# Altium PCB DRS4-PCB.PcbDoc (part 2 of 15) (continued)
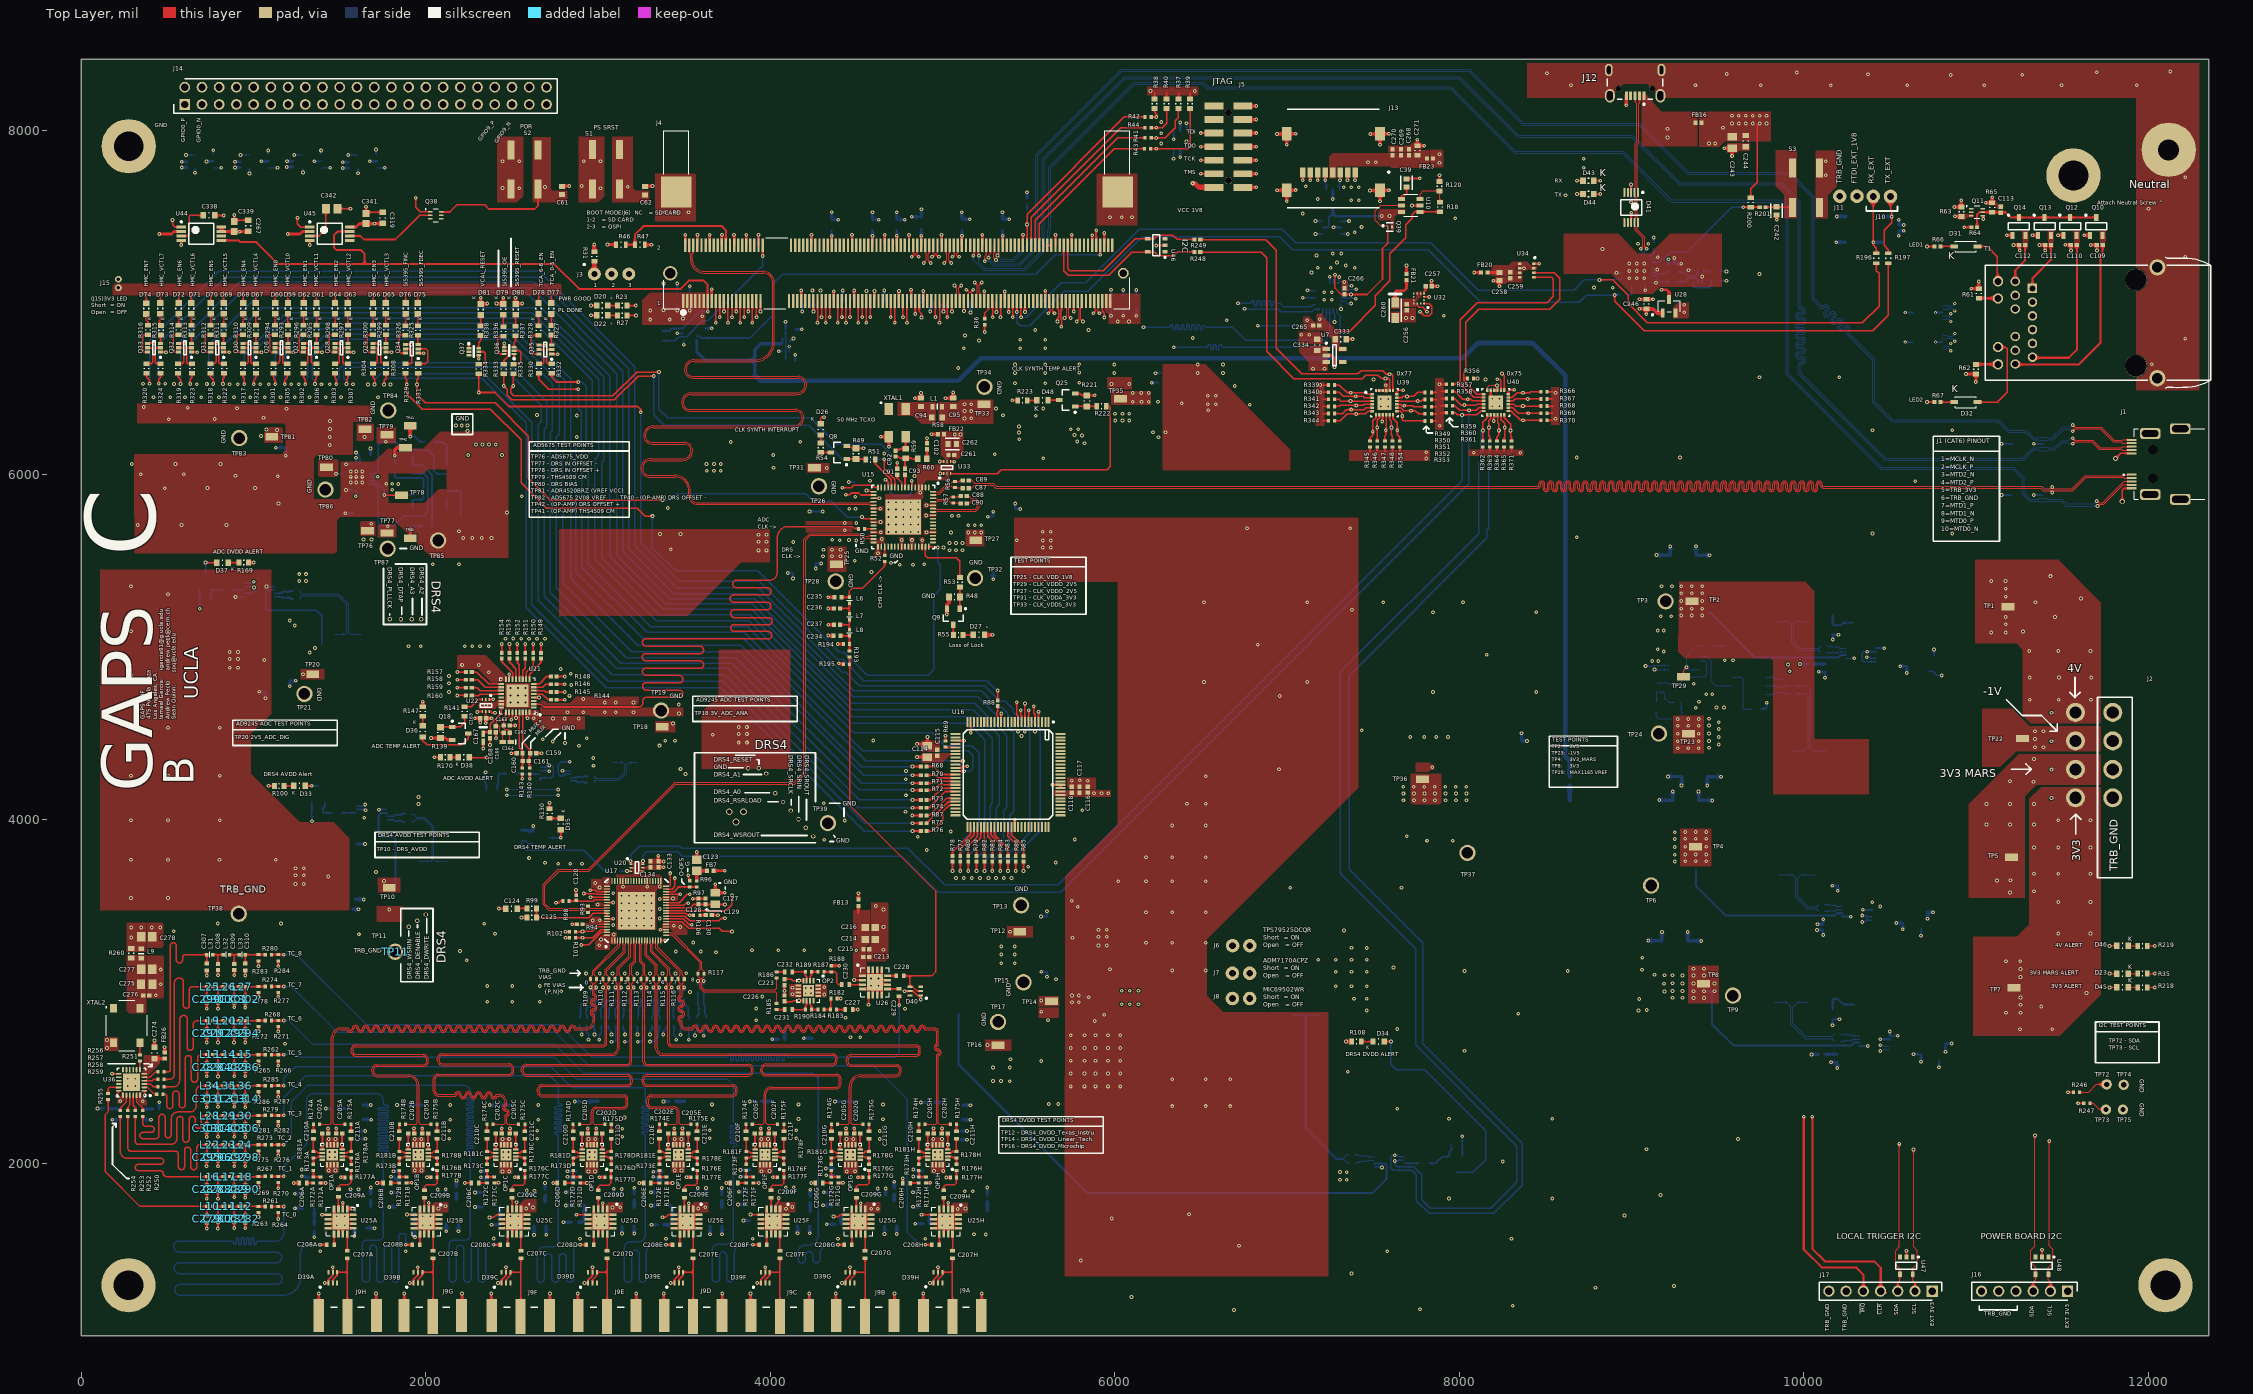
[diagram p0: Top Layer view]
## Components (designator, comment, footprint, x,y, rotation, side; value= is the part's Value field where it differs from the comment) (continued)
C203A "Cap_Murata_ GRM21BC71E106ME11L_10uF" "Cap_Murata_ GRM21BC71E106ME11L_10uF" 1601.42,2340.28 r180 bottom (schematic designator C203)
C203B "Cap_Murata_ GRM21BC71E106ME11L_10uF" "Cap_Murata_ GRM21BC71E106ME11L_10uF" 2062.99,2340.28 r180 bottom (schematic designator C203)
C203C "Cap_Murata_ GRM21BC71E106ME11L_10uF" "Cap_Murata_ GRM21BC71E106ME11L_10uF" 2572.01,2340.28 r180 bottom (schematic designator C203)
C203D "Cap_Murata_ GRM21BC71E106ME11L_10uF" "Cap_Murata_ GRM21BC71E106ME11L_10uF" 3077.27,2268.27 r180 bottom (schematic designator C203)
C203E "Cap_Murata_ GRM21BC71E106ME11L_10uF" "Cap_Murata_ GRM21BC71E106ME11L_10uF" 3587.28,2259.72 r180 bottom (schematic designator C203)
C203F "Cap_Murata_ GRM21BC71E106ME11L_10uF" "Cap_Murata_ GRM21BC71E106ME11L_10uF" 4086.81,2259.72 r180 bottom (schematic designator C203)
C203G "Cap_Murata_ GRM21BC71E106ME11L_10uF" "Cap_Murata_ GRM21BC71E106ME11L_10uF" 4580.43,2343.15 r180 bottom (schematic designator C203)
C203H "Cap_Murata_ GRM21BC71E106ME11L_10uF" "Cap_Murata_ GRM21BC71E106ME11L_10uF" 5083.15,2255.24 r180 bottom (schematic designator C203)
C204A "Cap_Murata_ GRM21BC71E106ME11L_10uF" "Cap_Murata_ GRM21BC71E106ME11L_10uF" 1319.03,1826.02 r0 bottom (schematic designator C204)
C204B "Cap_Murata_ GRM21BC71E106ME11L_10uF" "Cap_Murata_ GRM21BC71E106ME11L_10uF" 1868.9,1833.46 r0 bottom (schematic designator C204)
C204C "Cap_Murata_ GRM21BC71E106ME11L_10uF" "Cap_Murata_ GRM21BC71E106ME11L_10uF" 2360.67,1833.46 r0 bottom (schematic designator C204)
C204D "Cap_Murata_ GRM21BC71E106ME11L_10uF" "Cap_Murata_ GRM21BC71E106ME11L_10uF" 2884.76,1834.96 r0 bottom (schematic designator C204)
C204E "Cap_Murata_ GRM21BC71E106ME11L_10uF" "Cap_Murata_ GRM21BC71E106ME11L_10uF" 3383.27,1834.92 r0 bottom (schematic designator C204)
C204F "Cap_Murata_ GRM21BC71E106ME11L_10uF" "Cap_Murata_ GRM21BC71E106ME11L_10uF" 3893.07,1763.46 r0 bottom (schematic designator C204)
C204G "Cap_Murata_ GRM21BC71E106ME11L_10uF" "Cap_Murata_ GRM21BC71E106ME11L_10uF" 4388.49,1753.85 r0 bottom (schematic designator C204)
C204H "Cap_Murata_ GRM21BC71E106ME11L_10uF" "Cap_Murata_ GRM21BC71E106ME11L_10uF" 4900.04,1749.37 r0 bottom (schematic designator C204)
C205A "Cap_Taiyo_Yuden_TMK105B7104KV-FR_100nF" Cap_Taiyo_Yuden_TMK105B7104KV-FR_100nF 1496.54,2175.47 r180 top (schematic designator C205)
C205B "Cap_Taiyo_Yuden_TMK105B7104KV-FR_100nF" Cap_Taiyo_Yuden_TMK105B7104KV-FR_100nF 1995.56,2175.47 r180 top (schematic designator C205)
C205C "Cap_Taiyo_Yuden_TMK105B7104KV-FR_100nF" Cap_Taiyo_Yuden_TMK105B7104KV-FR_100nF 2505.01,2175.47 r180 top (schematic designator C205)
C205D "Cap_Taiyo_Yuden_TMK105B7104KV-FR_100nF" Cap_Taiyo_Yuden_TMK105B7104KV-FR_100nF 2923.5,2175.47 r0 top (schematic designator C205)
C205E "Cap_Taiyo_Yuden_TMK105B7104KV-FR_100nF" Cap_Taiyo_Yuden_TMK105B7104KV-FR_100nF 3506.07,2175.47 r180 top (schematic designator C205)
C205F "Cap_Taiyo_Yuden_TMK105B7104KV-FR_100nF" Cap_Taiyo_Yuden_TMK105B7104KV-FR_100nF 3927.48,2175.47 r0 top (schematic designator C205)
C205G "Cap_Taiyo_Yuden_TMK105B7104KV-FR_100nF" Cap_Taiyo_Yuden_TMK105B7104KV-FR_100nF 4422.28,2175.47 r0 top (schematic designator C205)
C205H "Cap_Taiyo_Yuden_TMK105B7104KV-FR_100nF" Cap_Taiyo_Yuden_TMK105B7104KV-FR_100nF 4930.67,2175.47 r0 top (schematic designator C205)
C206A "Cap_TDK_C1608X5R1A106M080AC_220nF" Cap_TDK_C1608X5R1A106M080AC_220nF 1286.41,1888.78 r0 top (schematic designator C206)
C206B "Cap_TDK_C1608X5R1A106M080AC_220nF" Cap_TDK_C1608X5R1A106M080AC_220nF 1775,1888.5 r0 top (schematic designator C206)
C206C "Cap_TDK_C1608X5R1A106M080AC_220nF" Cap_TDK_C1608X5R1A106M080AC_220nF 2284.45,1888.5 r0 top (schematic designator C206)
C206D "Cap_TDK_C1608X5R1A106M080AC_220nF" Cap_TDK_C1608X5R1A106M080AC_220nF 2784.61,1888.5 r0 top (schematic designator C206)
C206E "Cap_TDK_C1608X5R1A106M080AC_220nF" Cap_TDK_C1608X5R1A106M080AC_220nF 3285.08,1888.5 r0 top (schematic designator C206)
C206F "Cap_TDK_C1608X5R1A106M080AC_220nF" Cap_TDK_C1608X5R1A106M080AC_220nF 3788.58,1888.5 r0 top (schematic designator C206)
C206G "Cap_TDK_C1608X5R1A106M080AC_220nF" Cap_TDK_C1608X5R1A106M080AC_220nF 4283.39,1888.5 r0 top (schematic designator C206)
C206H "Cap_TDK_C1608X5R1A106M080AC_220nF" Cap_TDK_C1608X5R1A106M080AC_220nF 4790.91,1886.38 r0 top (schematic designator C206)
C207A "Cap_TDK_C1608X5R1A106M080AC_220nF" Cap_TDK_C1608X5R1A106M080AC_220nF 1543.62,1471.73 r270 top (schematic designator C207)
C207B "Cap_TDK_C1608X5R1A106M080AC_220nF" Cap_TDK_C1608X5R1A106M080AC_220nF 2042.32,1471.73 r270 top (schematic designator C207)
C207C "Cap_TDK_C1608X5R1A106M080AC_220nF" Cap_TDK_C1608X5R1A106M080AC_220nF 2551.77,1471.73 r270 top (schematic designator C207)
C207D "Cap_TDK_C1608X5R1A106M080AC_220nF" Cap_TDK_C1608X5R1A106M080AC_220nF 3051.93,1471.73 r270 top (schematic designator C207)
C207E "Cap_TDK_C1608X5R1A106M080AC_220nF" Cap_TDK_C1608X5R1A106M080AC_220nF 3551.78,1471.73 r270 top (schematic designator C207)
C207F "Cap_TDK_C1608X5R1A106M080AC_220nF" Cap_TDK_C1608X5R1A106M080AC_220nF 4055.48,1471.73 r270 top (schematic designator C207)
C207G "Cap_TDK_C1608X5R1A106M080AC_220nF" Cap_TDK_C1608X5R1A106M080AC_220nF 4550,1471.73 r270 top (schematic designator C207)
C207H "Cap_TDK_C1608X5R1A106M080AC_220nF" Cap_TDK_C1608X5R1A106M080AC_220nF 5057.53,1471.73 r270 top (schematic designator C207)
C208A "Cap_TDK_C1608X5R1A106M080AC_220nF" Cap_TDK_C1608X5R1A106M080AC_220nF 1445.17,1529.41 r180 top (schematic designator C208)
C208B "Cap_TDK_C1608X5R1A106M080AC_220nF" Cap_TDK_C1608X5R1A106M080AC_220nF 1943.11,1529.41 r180 top (schematic designator C208)
C208C "Cap_TDK_C1608X5R1A106M080AC_220nF" Cap_TDK_C1608X5R1A106M080AC_220nF 2452.77,1529.43 r180 top (schematic designator C208)
C208D "Cap_TDK_C1608X5R1A106M080AC_220nF" Cap_TDK_C1608X5R1A106M080AC_220nF 2953.5,1529.43 r180 top (schematic designator C208)
C208E "Cap_TDK_C1608X5R1A106M080AC_220nF" Cap_TDK_C1608X5R1A106M080AC_220nF 3453.35,1529.45 r180 top (schematic designator C208)
C208F "Cap_TDK_C1608X5R1A106M080AC_220nF" Cap_TDK_C1608X5R1A106M080AC_220nF 3957.05,1529.43 r180 top (schematic designator C208)
C208G "Cap_TDK_C1608X5R1A106M080AC_220nF" Cap_TDK_C1608X5R1A106M080AC_220nF 4451.57,1529.45 r180 top (schematic designator C208)
C208H "Cap_TDK_C1608X5R1A106M080AC_220nF" Cap_TDK_C1608X5R1A106M080AC_220nF 4958.96,1529.45 r180 top (schematic designator C208)
C209A "Cap_TDK_C1608X5R1A106M080AC_220nF" Cap_TDK_C1608X5R1A106M080AC_220nF 1492.4,1829.09 r270 top (schematic designator C209)
C209B "Cap_TDK_C1608X5R1A106M080AC_220nF" Cap_TDK_C1608X5R1A106M080AC_220nF 1991.14,1823.7 r270 top (schematic designator C209)
C209C "Cap_TDK_C1608X5R1A106M080AC_220nF" Cap_TDK_C1608X5R1A106M080AC_220nF 2500.59,1823.7 r270 top (schematic designator C209)
C209D "Cap_TDK_C1608X5R1A106M080AC_220nF" Cap_TDK_C1608X5R1A106M080AC_220nF 3000.75,1823.7 r270 top (schematic designator C209)
C209E "Cap_TDK_C1608X5R1A106M080AC_220nF" Cap_TDK_C1608X5R1A106M080AC_220nF 3501.22,1823.7 r270 top (schematic designator C209)
C209F "Cap_TDK_C1608X5R1A106M080AC_220nF" Cap_TDK_C1608X5R1A106M080AC_220nF 4004.29,1823.7 r270 top (schematic designator C209)
C209G "Cap_TDK_C1608X5R1A106M080AC_220nF" Cap_TDK_C1608X5R1A106M080AC_220nF 4498.82,1823.7 r270 top (schematic designator C209)
C209H "Cap_TDK_C1608X5R1A106M080AC_220nF" Cap_TDK_C1608X5R1A106M080AC_220nF 5006.34,1823.7 r270 top (schematic designator C209)
C210A "Cap_TDK_C1608X5R1A106M080AC_220nF" Cap_TDK_C1608X5R1A106M080AC_220nF 1346.81,2166.85 r270 top (schematic designator C210)
C210B "Cap_TDK_C1608X5R1A106M080AC_220nF" Cap_TDK_C1608X5R1A106M080AC_220nF 1845.55,2166.85 r270 top (schematic designator C210)
C210C "Cap_TDK_C1608X5R1A106M080AC_220nF" Cap_TDK_C1608X5R1A106M080AC_220nF 2355,2166.85 r270 top (schematic designator C210)
C210D "Cap_TDK_C1608X5R1A106M080AC_220nF" Cap_TDK_C1608X5R1A106M080AC_220nF 2855.16,2166.85 r270 top (schematic designator C210)
C210E "Cap_TDK_C1608X5R1A106M080AC_220nF" Cap_TDK_C1608X5R1A106M080AC_220nF 3355.63,2166.85 r270 top (schematic designator C210)
C210F "Cap_TDK_C1608X5R1A106M080AC_220nF" Cap_TDK_C1608X5R1A106M080AC_220nF 3859.13,2166.85 r270 top (schematic designator C210)
C210G "Cap_TDK_C1608X5R1A106M080AC_220nF" Cap_TDK_C1608X5R1A106M080AC_220nF 4353.94,2166.85 r270 top (schematic designator C210)
C210H "Cap_TDK_C1608X5R1A106M080AC_220nF" Cap_TDK_C1608X5R1A106M080AC_220nF 4861.46,2166.85 r270 top (schematic designator C210)
C211A "Cap_TDK_C1608X5R1A106M080AC_220nF" Cap_TDK_C1608X5R1A106M080AC_220nF 1566.22,2166.14 r270 top (schematic designator C211)
C211B "Cap_TDK_C1608X5R1A106M080AC_220nF" Cap_TDK_C1608X5R1A106M080AC_220nF 2065.04,2166.85 r270 top (schematic designator C211)
C211C "Cap_TDK_C1608X5R1A106M080AC_220nF" Cap_TDK_C1608X5R1A106M080AC_220nF 2574.21,2166.85 r270 top (schematic designator C211)
C211D "Cap_TDK_C1608X5R1A106M080AC_220nF" Cap_TDK_C1608X5R1A106M080AC_220nF 3076.18,2166.85 r270 top (schematic designator C211)
C211E "Cap_TDK_C1608X5R1A106M080AC_220nF" Cap_TDK_C1608X5R1A106M080AC_220nF 3574.84,2166.85 r270 top (schematic designator C211)
C211F "Cap_TDK_C1608X5R1A106M080AC_220nF" Cap_TDK_C1608X5R1A106M080AC_220nF 4077.91,2166.85 r270 top (schematic designator C211)
C211G "Cap_TDK_C1608X5R1A106M080AC_220nF" Cap_TDK_C1608X5R1A106M080AC_220nF 4572.72,2166.85 r270 top (schematic designator C211)
C211H "Cap_TDK_C1608X5R1A106M080AC_220nF" Cap_TDK_C1608X5R1A106M080AC_220nF 5080.24,2166.85 r270 top (schematic designator C211)
C212A "Cap_Taiyo_Yuden_TMK105B7104KV-FR_100nF" Cap_Taiyo_Yuden_TMK105B7104KV-FR_100nF 2914.63,2879.68 r0 bottom (schematic designator C212)
C212B "Cap_Taiyo_Yuden_TMK105B7104KV-FR_100nF" Cap_Taiyo_Yuden_TMK105B7104KV-FR_100nF 2997.22,2877.19 r0 bottom (schematic designator C212)
C212C "Cap_Taiyo_Yuden_TMK105B7104KV-FR_100nF" Cap_Taiyo_Yuden_TMK105B7104KV-FR_100nF 3081.9,2877.64 r0 bottom (schematic designator C212)
C212D "Cap_Taiyo_Yuden_TMK105B7104KV-FR_100nF" Cap_Taiyo_Yuden_TMK105B7104KV-FR_100nF 3166.26,2876.8 r0 bottom (schematic designator C212)
C212E "Cap_Taiyo_Yuden_TMK105B7104KV-FR_100nF" Cap_Taiyo_Yuden_TMK105B7104KV-FR_100nF 3250.34,2876.8 r0 bottom (schematic designator C212)
C212F "Cap_Taiyo_Yuden_TMK105B7104KV-FR_100nF" Cap_Taiyo_Yuden_TMK105B7104KV-FR_100nF 3334.65,2876.16 r0 bottom (schematic designator C212)
C212G "Cap_Taiyo_Yuden_TMK105B7104KV-FR_100nF" Cap_Taiyo_Yuden_TMK105B7104KV-FR_100nF 3419.18,2876 r0 bottom (schematic designator C212)
C212H "Cap_Taiyo_Yuden_TMK105B7104KV-FR_100nF" Cap_Taiyo_Yuden_TMK105B7104KV-FR_100nF 3505.67,2875.75 r0 bottom (schematic designator C212)
C213 "Cap_Taiyo_Yuden_TMK105B7104KV-FR_100nF" Cap_Taiyo_Yuden_TMK105B7104KV-FR_100nF 4557.53,3199.97 r180 top
C214 "Cap_Wurth_Electronics_885012206075_470nF" Cap_Wurth_Electronics_885012206075_470nF 4579.59,3302.34 r0 top
C215 "Cap_Taiyo_Yuden_TMK105B7104KV-FR_100nF" Cap_Taiyo_Yuden_TMK105B7104KV-FR_100nF 4557.82,3245.25 r180 top
C216 "Cap_Wurth_Electronics_885012206075_470nF" Cap_Wurth_Electronics_885012206075_470nF 4579.59,3371.23 r0 top
C217 "Cap_Taiyo_Yuden_TMK105B7104KV-FR_100nF" Cap_Taiyo_Yuden_TMK105B7104KV-FR_100nF 4015.81,3009.95 r180 bottom
C218 "Cap_Taiyo_Yuden_TMK105B7104KV-FR_100nF" Cap_Taiyo_Yuden_TMK105B7104KV-FR_100nF 4375.63,2809.72 r0 bottom
C219 "Cap_Taiyo_Yuden_TMK105B7104KV-FR_100nF" Cap_Taiyo_Yuden_TMK105B7104KV-FR_100nF 4015.07,2972.28 r180 bottom
C220 "Cap_Taiyo_Yuden_TMK105B7104KV-FR_100nF" Cap_Taiyo_Yuden_TMK105B7104KV-FR_100nF 4376.73,2846.34 r0 bottom
C221 "Cap_Murata_ GRM21BC71E106ME11L_10uF" "Cap_Murata_ GRM21BC71E106ME11L_10uF" 4002.13,2905.18 r0 bottom
C222 "Cap_Murata_ GRM21BC71E106ME11L_10uF" "Cap_Murata_ GRM21BC71E106ME11L_10uF" 4379.5,2753.54 r180 bottom
C223 "Cap_Taiyo_Yuden_TMK105B7104KV-FR_100nF" Cap_Taiyo_Yuden_TMK105B7104KV-FR_100nF 4081.36,3052.75 r270 top
C224 "Cap_Murata_ GRM21BC71E106ME11L_10uF" "Cap_Murata_ GRM21BC71E106ME11L_10uF" 4002.13,2818.4 r0 bottom
C225 "Cap_Murata_ GRM21BC71E106ME11L_10uF" "Cap_Murata_ GRM21BC71E106ME11L_10uF" 4378.35,2688.78 r180 bottom
C226 "Cap_Taiyo_Yuden_TMK105B7104KV-FR_100nF" Cap_Taiyo_Yuden_TMK105B7104KV-FR_100nF 4081.08,2959.19 r90 top
C227 "Cap_TDK_C1608X5R1A106M080AC_220nF" Cap_TDK_C1608X5R1A106M080AC_220nF 4455.08,2894.77 r180 top
C228 "Cap_TDK_C1608X5R1A106M080AC_220nF" Cap_TDK_C1608X5R1A106M080AC_220nF 4752.25,3091.14 r0 top
C229 "Cap_TDK_C1608X5R1A106M080AC_220nF" Cap_TDK_C1608X5R1A106M080AC_220nF 4745.8,2992.71 r270 top
C230 "Cap_TDK_C1608X5R1A106M080AC_220nF" Cap_TDK_C1608X5R1A106M080AC_220nF 4434.76,3040.78 r0 top
C231 "Cap_TDK_C1608X5R1A106M080AC_220nF" Cap_TDK_C1608X5R1A106M080AC_220nF 4104.88,2894.75 r0 top
C232 "Cap_TDK_C1608X5R1A106M080AC_220nF" Cap_TDK_C1608X5R1A106M080AC_220nF 4104.88,3113.85 r0 top
C233 "Cap_Taiyo_Yuden_TMK105B7104KV-FR_100nF" Cap_Taiyo_Yuden_TMK105B7104KV-FR_100nF 3602.03,2886.03 r0 bottom
C234 "Cap_TDK_CGA2B2C0G2A151J050BE_150pF" Cap_TDK_CGA2B2C0G2A151J050BE_150pF 4386.29,5064.64 r0 top
C235 "Cap_TDK_CGA2B2C0G2A151J050BE_150pF" Cap_TDK_CGA2B2C0G2A151J050BE_150pF 4391.54,5288.38 r0 top
C236 "Cap_Murata_GCM1555C1H271FA16D_270pF" Cap_Murata_GCM1555C1H271FA16D_270pF 4386.29,5223.53 r0 top
C237 "Cap_Murata_GCM1555C1H271FA16D_270pF" Cap_Murata_GCM1555C1H271FA16D_270pF 4386.29,5129.13 r0 top
C238 "Cap_Taiyo_Yuden_TMK105B7104KV-FR_100nF" Cap_Taiyo_Yuden_TMK105B7104KV-FR_100nF 8837.71,7085.84 r0 bottom
C239 "Cap_Taiyo_Yuden_TMK105B7104KV-FR_100nF" Cap_Taiyo_Yuden_TMK105B7104KV-FR_100nF 8996.78,7629.62 r90 bottom
C240 "Cap_Taiyo_Yuden_TMK105B7104KV-FR_100nF" Cap_Taiyo_Yuden_TMK105B7104KV-FR_100nF 9127.53,7330.88 r270 bottom
C241 "Cap_Taiyo_Yuden_TMK105B7104KV-FR_100nF" Cap_Taiyo_Yuden_TMK105B7104KV-FR_100nF 10551.56,7432.5 r90 bottom
C242 "Cap_Kemet_C0603C103J5RACTU_eec" Kemet_C0603_0 9841.12,7531.76 r270 top value=10nF
C243 "Cap_Murata_ GRM21BC71E106ME11L_10uF" "Cap_Murata_ GRM21BC71E106ME11L_10uF" 9583.17,7928.1 r270 top
C244 "Cap_Murata_ZRB18AR6YA475ME05L_4.7uF" Cap_Murata_ZRB18AR6YA475ME05L_4.7uF 9662.08,7936.76 r90 top
C245 "Cap_Taiyo_Yuden_TMK105B7104KV-FR_100nF" Cap_Taiyo_Yuden_TMK105B7104KV-FR_100nF 9230.26,7225.04 r180 bottom
C246 "Cap_Taiyo_Yuden_2.2uF" CAPC0603(1608)100_L 9085.14,6990.28 r270 top value=2.2uF
C247 "Cap_Taiyo_Yuden_TMK105B7104KV-FR_100nF" Cap_Taiyo_Yuden_TMK105B7104KV-FR_100nF 10175.89,4984.45 r270 bottom
C248 "Cap_Taiyo_Yuden_TMK105B7104KV-FR_100nF" Cap_Taiyo_Yuden_TMK105B7104KV-FR_100nF 10259.31,2732.5 r270 bottom
C249 "Cap_Taiyo_Yuden_TMK105B7104KV-FR_100nF" Cap_Taiyo_Yuden_TMK105B7104KV-FR_100nF 9878,4753 r270 bottom
C250 "Cap_Taiyo_Yuden_TMK105B7104KV-FR_100nF" Cap_Taiyo_Yuden_TMK105B7104KV-FR_100nF 10257.67,2622.22 r90 bottom
C251 "Cap_Kemet_C0603C103J5RACTU_eec" Kemet_C0603_0 10193.62,2611.22 r270 bottom value=10nF
C252 "Cap_Taiyo_Yuden_TMK105B7104KV-FR_100nF" Cap_Taiyo_Yuden_TMK105B7104KV-FR_100nF 10182.28,4888.68 r90 bottom
C253 "Cap_Kemet_C0603C103J5RACTU_eec" Kemet_C0603_0 10123.92,4877.85 r270 bottom value=10nF
C254 "Cap_Taiyo_Yuden_TMK105B7104KV-FR_100nF" Cap_Taiyo_Yuden_TMK105B7104KV-FR_100nF 9516,4705 r90 bottom
C255 "Cap_Taiyo_Yuden_TMK105B7104KV-FR_100nF" Cap_Taiyo_Yuden_TMK105B7104KV-FR_100nF 9183,5037 r270 bottom
C256 "Cap_Taiyo_Yuden_TMK105B7104KV-FR_100nF" Cap_Taiyo_Yuden_TMK105B7104KV-FR_100nF 7694.42,6971.76 r270 top
C257 "Cap_Taiyo_Yuden_TMK105B7104KV-FR_100nF" Cap_Taiyo_Yuden_TMK105B7104KV-FR_100nF 7821.05,7093.82 r0 top
C258 "Cap_Kemet_C0603C103J5RACTU_eec" Kemet_C0603_0 8232.7,7149.93 r270 top value=10nF
C259 "Cap_Taiyo_Yuden_TMK105B7104KV-FR_100nF" Cap_Taiyo_Yuden_TMK105B7104KV-FR_100nF 8295.7,7156.62 r270 top
C260 "1uF 16 V Tantalum" KEMT-T491A105K016AT_L 7627,6955 r270 top
C261 "Cap_Taiyo_Yuden_TMK105B7104KV-FR_100nF" Cap_Taiyo_Yuden_TMK105B7104KV-FR_100nF 5051.24,6114.85 r180 top
C262 "Cap_Kemet_C0603C103J5RACTU_eec" Kemet_C0603_0 5055.7,6178.05 r0 top value=10nF
C264 "Cap_Taiyo_Yuden_TMK105B7104KV-FR_100nF" Cap_Taiyo_Yuden_TMK105B7104KV-FR_100nF 9536,4987 r90 bottom
C265 "Cap_Taiyo_Yuden_TMK105B7104KV-FR_100nF" Cap_Taiyo_Yuden_TMK105B7104KV-FR_100nF 7169.82,6867 r180 top
C266 "Cap_Taiyo_Yuden_TMK105B7104KV-FR_100nF" Cap_Taiyo_Yuden_TMK105B7104KV-FR_100nF 7333.57,7064.62 r270 top
C267 "Cap_Murata_GCJ188R71E105KA01J_1uF" Cap_Murata_GCJ188R71E105KA01J_1uF 968.99,7445 r90 top
C268 "Cap_Taiyo_Yuden_TMK105B7104KV-FR_100nF" Cap_Taiyo_Yuden_TMK105B7104KV-FR_100nF 7706.71,7870.84 r270 top
C269 "Cap_Taiyo_Yuden_TMK105B7104KV-FR_100nF" Cap_Taiyo_Yuden_TMK105B7104KV-FR_100nF 7661.42,7870.84 r270 top
C270 "Cap_Taiyo_Yuden_TMK105B7104KV-FR_100nF" Cap_Taiyo_Yuden_TMK105B7104KV-FR_100nF 7611.43,7870.84 r270 top
C271 "4.7nF 10V 0603" CAPC0603(1608)100_L 7755.93,7881.47 r90 top value=4.7nF
C272 "Cap_Murata_GCJ188R71E105KA01J_1uF" Cap_Murata_GCJ188R71E105KA01J_1uF 356.95,2287.28 r270 bottom
C273 "Cap_Murata_GCJ188R71E105KA01J_1uF" Cap_Murata_GCJ188R71E105KA01J_1uF 224.39,2287.28 r270 bottom
C274 "Cap_Murata_GCJ188R71E105KA01J_1uF" Cap_Murata_GCJ188R71E105KA01J_1uF 424.34,2642.75 r90 top
C275 "Cap_Murata_ GRM21BC71E106ME11L_10uF" "Cap_Murata_ GRM21BC71E106ME11L_10uF" 380.1,3042.17 r180 top
C276 "Cap_Taiyo_Yuden_TMK105B7104KV-FR_100nF" Cap_Taiyo_Yuden_TMK105B7104KV-FR_100nF 376.05,2977.2 r0 top
C277 "Cap_Murata_GRT21BR61E226ME13L_22uF" Cap_Murata_GRT21BR61E226ME13L_22uF 379.53,3129.13 r180 top
C278 "Cap_Murata_GRT21BR61E226ME13L_22uF" Cap_Murata_GRT21BR61E226ME13L_22uF 380.1,3316.66 r180 top
C279 "Cap_TDK_CGA2B2C0G2A151J050BE_150pF" Cap_TDK_CGA2B2C0G2A151J050BE_150pF 727.93,1679.37 r90 top
C280 "Cap_Murata_GCM1555C1H271FA16D_270pF" Cap_Murata_GCM1555C1H271FA16D_270pF 792.86,1679.37 r90 top
C281 "Cap_Murata_GCM1555C1H271FA16D_270pF" Cap_Murata_GCM1555C1H271FA16D_270pF 887.26,1679.37 r90 top
C282 "Cap_TDK_CGA2B2C0G2A151J050BE_150pF" Cap_TDK_CGA2B2C0G2A151J050BE_150pF 951.75,1679.37 r90 top
C283 "Cap_TDK_CGA2B2C0G2A151J050BE_150pF" Cap_TDK_CGA2B2C0G2A151J050BE_150pF 728.01,2561.27 r90 top
C284 "Cap_Murata_GCM1555C1H271FA16D_270pF" Cap_Murata_GCM1555C1H271FA16D_270pF 792.85,2561.27 r90 top
C285 "Cap_Murata_GCM1555C1H271FA16D_270pF" Cap_Murata_GCM1555C1H271FA16D_270pF 887.26,2561.27 r90 top
C286 "Cap_TDK_CGA2B2C0G2A151J050BE_150pF" Cap_TDK_CGA2B2C0G2A151J050BE_150pF 951.75,2561.27 r90 top
C287 "Cap_TDK_CGA2B2C0G2A151J050BE_150pF" Cap_TDK_CGA2B2C0G2A151J050BE_150pF 728.01,1852.61 r90 top
C288 "Cap_Murata_GCM1555C1H271FA16D_270pF" Cap_Murata_GCM1555C1H271FA16D_270pF 792.85,1852.61 r90 top
C289 "Cap_Murata_GCM1555C1H271FA16D_270pF" Cap_Murata_GCM1555C1H271FA16D_270pF 887.26,1852.61 r90 top
C290 "Cap_TDK_CGA2B2C0G2A151J050BE_150pF" Cap_TDK_CGA2B2C0G2A151J050BE_150pF 951.75,1852.61 r90 top
C291 "Cap_TDK_CGA2B2C0G2A151J050BE_150pF" Cap_TDK_CGA2B2C0G2A151J050BE_150pF 728.01,2758.12 r90 top
C292 "Cap_Murata_GCM1555C1H271FA16D_270pF" Cap_Murata_GCM1555C1H271FA16D_270pF 792.85,2758.12 r90 top
C293 "Cap_Murata_GCM1555C1H271FA16D_270pF" Cap_Murata_GCM1555C1H271FA16D_270pF 887.26,2758.12 r90 top
C294 "Cap_TDK_CGA2B2C0G2A151J050BE_150pF" Cap_TDK_CGA2B2C0G2A151J050BE_150pF 951.75,2758.12 r90 top
C295 "Cap_TDK_CGA2B2C0G2A151J050BE_150pF" Cap_TDK_CGA2B2C0G2A151J050BE_150pF 728.01,2037.14 r90 top
C296 "Cap_Murata_GCM1555C1H271FA16D_270pF" Cap_Murata_GCM1555C1H271FA16D_270pF 792.85,2037.14 r90 top
C297 "Cap_Murata_GCM1555C1H271FA16D_270pF" Cap_Murata_GCM1555C1H271FA16D_270pF 887.26,2037.14 r90 top
C298 "Cap_TDK_CGA2B2C0G2A151J050BE_150pF" Cap_TDK_CGA2B2C0G2A151J050BE_150pF 951.75,2037.14 r90 top
C299 "Cap_TDK_CGA2B2C0G2A151J050BE_150pF" Cap_TDK_CGA2B2C0G2A151J050BE_150pF 728.01,2954.98 r90 top
C300 "Cap_Murata_GCM1555C1H271FA16D_270pF" Cap_Murata_GCM1555C1H271FA16D_270pF 792.85,2954.98 r90 top
C301 "Cap_Murata_GCM1555C1H271FA16D_270pF" Cap_Murata_GCM1555C1H271FA16D_270pF 887.26,2954.98 r90 top
C302 "Cap_TDK_CGA2B2C0G2A151J050BE_150pF" Cap_TDK_CGA2B2C0G2A151J050BE_150pF 951.75,2954.98 r90 top
C303 "Cap_TDK_CGA2B2C0G2A151J050BE_150pF" Cap_TDK_CGA2B2C0G2A151J050BE_150pF 727.98,2206.92 r90 top
C304 "Cap_Murata_GCM1555C1H271FA16D_270pF" Cap_Murata_GCM1555C1H271FA16D_270pF 792.85,2206.92 r90 top
C305 "Cap_Murata_GCM1555C1H271FA16D_270pF" Cap_Murata_GCM1555C1H271FA16D_270pF 887.26,2206.92 r90 top
C306 "Cap_TDK_CGA2B2C0G2A151J050BE_150pF" Cap_TDK_CGA2B2C0G2A151J050BE_150pF 951.75,2206.92 r90 top
C307 "Cap_TDK_CGA2B2C0G2A151J050BE_150pF" Cap_TDK_CGA2B2C0G2A151J050BE_150pF 728.01,3141.16 r90 top
C308 "Cap_Murata_GCM1555C1H271FA16D_270pF" Cap_Murata_GCM1555C1H271FA16D_270pF 792.85,3141.16 r90 top
C309 "Cap_Murata_GCM1555C1H271FA16D_270pF" Cap_Murata_GCM1555C1H271FA16D_270pF 887.26,3141.16 r90 top
C310 "Cap_TDK_CGA2B2C0G2A151J050BE_150pF" Cap_TDK_CGA2B2C0G2A151J050BE_150pF 951.75,3141.16 r90 top
C311 "Cap_TDK_CGA2B2C0G2A151J050BE_150pF" Cap_TDK_CGA2B2C0G2A151J050BE_150pF 728.01,2377.14 r90 top
C312 "Cap_Murata_GCM1555C1H271FA16D_270pF" Cap_Murata_GCM1555C1H271FA16D_270pF 792.85,2377.14 r90 top
C313 "Cap_Murata_GCM1555C1H271FA16D_270pF" Cap_Murata_GCM1555C1H271FA16D_270pF 887.26,2377.14 r90 top
C314 "Cap_TDK_CGA2B2C0G2A151J050BE_150pF" Cap_TDK_CGA2B2C0G2A151J050BE_150pF 951.75,2377.14 r90 top
C315 "Cap_Taiyo_Yuden_TMK105B7104KV-FR_100nF" Cap_Taiyo_Yuden_TMK105B7104KV-FR_100nF 613.86,7800.44 r90 bottom
C316 "Cap_Taiyo_Yuden_TMK105B7104KV-FR_100nF" Cap_Taiyo_Yuden_TMK105B7104KV-FR_100nF 921.07,7799.98 r90 bottom
C317 "Cap_Taiyo_Yuden_TMK105B7104KV-FR_100nF" Cap_Taiyo_Yuden_TMK105B7104KV-FR_100nF 1226.73,7803.66 r90 bottom
C318 "Cap_Taiyo_Yuden_TMK105B7104KV-FR_100nF" Cap_Taiyo_Yuden_TMK105B7104KV-FR_100nF 1550.36,7796.79 r90 bottom
C319 "Cap_Murata_GCJ188R71E105KA01J_1uF" Cap_Murata_GCJ188R71E105KA01J_1uF 1748.28,7491 r90 top
C321 "Cap_Murata_ GRM21BC71E106ME11L_10uF" "Cap_Murata_ GRM21BC71E106ME11L_10uF" 1611.46,5776.3 r180 bottom
C322 "Cap_Taiyo_Yuden_TMK105B7104KV-FR_100nF" Cap_Taiyo_Yuden_TMK105B7104KV-FR_100nF 1611.58,5843.47 r0 bottom
C323 "Cap_Murata_ GRM21BC71E106ME11L_10uF" "Cap_Murata_ GRM21BC71E106ME11L_10uF" 1186.45,6190.61 r270 bottom
C324 "Cap_Taiyo_Yuden_TMK105B7104KV-FR_100nF" Cap_Taiyo_Yuden_TMK105B7104KV-FR_100nF 1250.38,6197.15 r90 bottom
C325 "Cap_Taiyo_Yuden_TMK105B7104KV-FR_100nF" Cap_Taiyo_Yuden_TMK105B7104KV-FR_100nF 1661.94,6116.55 r180 bottom
C326 "Cap_Murata_ GRM21BC71E106ME11L_10uF" "Cap_Murata_ GRM21BC71E106ME11L_10uF" 2314.05,5728 r270 bottom
C327 "Cap_Kemet_C0603C103J5RACTU_eec" Kemet_C0603_0 2381,5728 r270 bottom value=10nF
C328 "Cap_Taiyo_Yuden_TMK105B7104KV-FR_100nF" Cap_Taiyo_Yuden_TMK105B7104KV-FR_100nF 2256,5728 r90 bottom
C329 "Cap_Taiyo_Yuden_TMK105B7104KV-FR_100nF" Cap_Taiyo_Yuden_TMK105B7104KV-FR_100nF 8183.21,6534.87 r270 bottom
C330 "Cap_Taiyo_Yuden_TMK105B7104KV-FR_100nF" Cap_Taiyo_Yuden_TMK105B7104KV-FR_100nF 7533.52,6535.24 r270 bottom
C333 "Cap_Murata_GCJ188R71E105KA01J_1uF" Cap_Murata_GCJ188R71E105KA01J_1uF 7311.52,6787.12 r180 top
C334 "Cap_Murata_GCJ188R71E105KA01J_1uF" Cap_Murata_GCJ188R71E105KA01J_1uF 7173.84,6753.53 r270 top
C338 "Cap_Murata_GCJ188R71E105KA01J_1uF" Cap_Murata_GCJ188R71E105KA01J_1uF 741.19,7505.22 r180 top
C339 "Cap_Kemet_C0603C104M5RACAUTO_100nF" Cap_Kemet_C0603C104M5RACAUTO_100nF 887.17,7441.32 r90 top
C341 "Cap_Kemet_C0603C104M5RACAUTO_100nF" Cap_Kemet_C0603C104M5RACAUTO_100nF 1652.74,7486.89 r90 top
C342 "Cap_Murata_ GRM21BC71E106ME11L_10uF" "Cap_Murata_ GRM21BC71E106ME11L_10uF" 1452.72,7544.69 r0 top
D1 "ESD9B5.0ST5G" ONSC-SOD-923-2-514AB-01_V 11480.64,4123.95 r180 bottom
D2 "ESD9B5.0ST5G" ONSC-SOD-923-2-514AB-01_V 11480.64,4289.31 r180 bottom
D3 "ESD9B5.0ST5G" ONSC-SOD-923-2-514AB-01_V 11480.64,4454.66 r180 bottom
D4 "ESD9B5.0ST5G" ONSC-SOD-923-2-514AB-01_V 11480.64,4620.02 r180 bottom
D5 "BZT52C4V3-7-F" SOD123 10166.57,5251.12 r270 bottom
D6 "BZT52C4V3-7-F" SOD123 10192.32,3805.64 r270 bottom
D7 "BZT52C4V3-7-F" SOD123 10166.57,3024.42 r270 bottom
D8 "Diode_ON_Semiconductor_1N4148WT_300mA" Diode_ON_Semiconductor_1N4148WT_300mA 1709.58,3755.68 r90 bottom
D9 "Diode_ON_Semiconductor_1N4148WT_300mA" Diode_ON_Semiconductor_1N4148WT_300mA 5491.09,3201.96 r270 bottom
D10 "Diode_ON_Semiconductor_1N4148WT_300mA" Diode_ON_Semiconductor_1N4148WT_300mA 5517.17,2490.29 r270 bottom
D11 "Diode_ON_Semiconductor_1N4148WT_300mA" Diode_ON_Semiconductor_1N4148WT_300mA 3390.76,4387.48 r270 bottom
D12 "Diode_ON_Semiconductor_1N4148WT_300mA" Diode_ON_Semiconductor_1N4148WT_300mA 1326.15,5025.07 r90 bottom
D14 "Diode_ON_Semiconductor_1N4148WT_300mA" Diode_ON_Semiconductor_1N4148WT_300mA 4381.83,5699.6 r90 bottom
D15 "Diode_ON_Semiconductor_1N4148WT_300mA" Diode_ON_Semiconductor_1N4148WT_300mA 5166.03,5541.08 r270 bottom
D17 "Diode_ON_Semiconductor_1N4148WT_300mA" Diode_ON_Semiconductor_1N4148WT_300mA 3752.7,6070.92 r90 bottom
D18 "Diode_ON_Semiconductor_1N4148WT_300mA" Diode_ON_Semiconductor_1N4148WT_300mA 5696.41,6246.01 r270 bottom
D19 "BZT52C4V3-7-F" SOD123 8360.24,4386.62 r90 bottom
D20 "Led_Lite-On_LTST-C193KGKT-5A_Green" Led_Lite-On_LTST-C193KGKT-5A_Green 3024.29,6982.13 r180 top
D21 "Diode_ON_Semiconductor_1N4148WT_300mA" Diode_ON_Semiconductor_1N4148WT_300mA 6132.02,6333.87 r270 bottom
D22 "Led_Lite-On_LTST-C193KGKT-5A_Green" Led_Lite-On_LTST-C193KGKT-5A_Green 3024.2,6924.49 r180 top
D23 "LTST-C193KRKT-5A" Led_Lite-On_LTST-C193KGKT-5A_Red 11849.49,3103.67 r180 top
D24 "PRTR5V0U4D,125" PRTR5V0U4D,125 6378.83,7940.26 r90 bottom
D25 "Diode_SP3003-04ATG_LVDS_ESD" Diode_SP3003-04ATG_LVDS_ESD 11303,6179 r180 bottom
D26 "LTST-C193KRKT-5A" Led_Lite-On_LTST-C193KGKT-5A_Red 4292.13,6262.75 r270 top
D27 "LTST-C193KRKT-5A" Led_Lite-On_LTST-C193KGKT-5A_Red 5210.33,5069.96 r180 top
D28 "Diode_SP3003-04ATG_LVDS_ESD" Diode_SP3003-04ATG_LVDS_ESD 11298,5882 r180 bottom
D29 "Diode_SP3003-04ATG_LVDS_ESD" Diode_SP3003-04ATG_LVDS_ESD 10718.19,6941.14 r180 bottom
D30 "Diode_SP3003-04ATG_LVDS_ESD" Diode_SP3003-04ATG_LVDS_ESD 10718.19,6769.7 r180 bottom
D31 "BZT52C4V3-7-F" SOD123 10939.92,7324.93 r0 top
D32 "BZT52C4V3-7-F" SOD123 10939.92,6421.34 r0 top
D33 "LTST-C193KRKT-5A" Led_Lite-On_LTST-C193KGKT-5A_Red 1266.38,4193.58 r0 top
D34 "LTST-C193KRKT-5A" Led_Lite-On_LTST-C193KGKT-5A_Red 7530.85,2709.43 r0 top
D35 "LTST-C193KRKT-5A" Led_Lite-On_LTST-C193KGKT-5A_Red 2783.7,3972.14 r270 top
D36 "LTST-C193KRKT-5A" Led_Lite-On_LTST-C193KGKT-5A_Red 1981.58,4509.52 r270 top
D37 "LTST-C193KRKT-5A" Led_Lite-On_LTST-C193KGKT-5A_Red 819.25,5489.7 r180 top
D38 "LTST-C193KRKT-5A" Led_Lite-On_LTST-C193KGKT-5A_Red 2220.2,4358.95 r0 top
D39A "BAV99S" INF-SOT363_V 1459.65,1338.58 r90 top (schematic designator D39)
D39B "BAV99S" INF-SOT363_V 1953.46,1338.58 r90 top (schematic designator D39)
D39C "BAV99S" INF-SOT363_V 2465.43,1338.58 r90 top (schematic designator D39)
D39D "BAV99S" INF-SOT363_V 2967.54,1338.58 r90 top (schematic designator D39)
D39E "BAV99S" INF-SOT363_V 3468.27,1338.58 r90 top (schematic designator D39)
D39F "BAV99S" INF-SOT363_V 3970.52,1338.58 r90 top (schematic designator D39)
D39G "BAV99S" INF-SOT363_V 4462.64,1338.58 r90 top (schematic designator D39)
D39H "BAV99S" INF-SOT363_V 4973.62,1338.58 r90 top (schematic designator D39)
D40 "BAV99S" INF-SOT363_V 4841.34,3001.81 r180 top
D41 "Diode_SP3003-04ATG_LVDS_ESD" Diode_SP3003-04ATG_LVDS_ESD 8997.43,7551.44 r270 top
D42 "ESD_Bourns_ CDNBS08-SRDA05-4_5V" "ESD_Bourns_ CDNBS08-SRDA05-4_5V" 10348.32,7424.23 r180 bottom
D43 "Led_Lite-On_LTST-C193TBKT-5A_Blue" Led_Lite-On_LTST-C193TBKT-5A_Blue 8749,7707.18 r180 top
D44 "Led_Lite-On_LTST-C193TBKT-5A_Blue" Led_Lite-On_LTST-C193TBKT-5A_Blue 8749,7629.53 r180 top
D45 "LTST-C193KRKT-5A" Led_Lite-On_LTST-C193KGKT-5A_Red 11849.49,3023.3 r180 top
D46 "LTST-C193KRKT-5A" Led_Lite-On_LTST-C193KGKT-5A_Red 11849.49,3264.4 r180 top